# Altium PCB Inverter_2kW.PcbDoc (part 1 of 3)
Units mm, origin at the board's own origin, x right, y up, seen from the top; angles counter-clockwise.
Board outline 300 x 220 mm, 4 copper layers (Top Layer, Mid-Layer 1, Mid-Layer 2, Bottom Layer), stack 1.496 mm thick; 300 components, 167 nets, 848 pads, 363 vias.
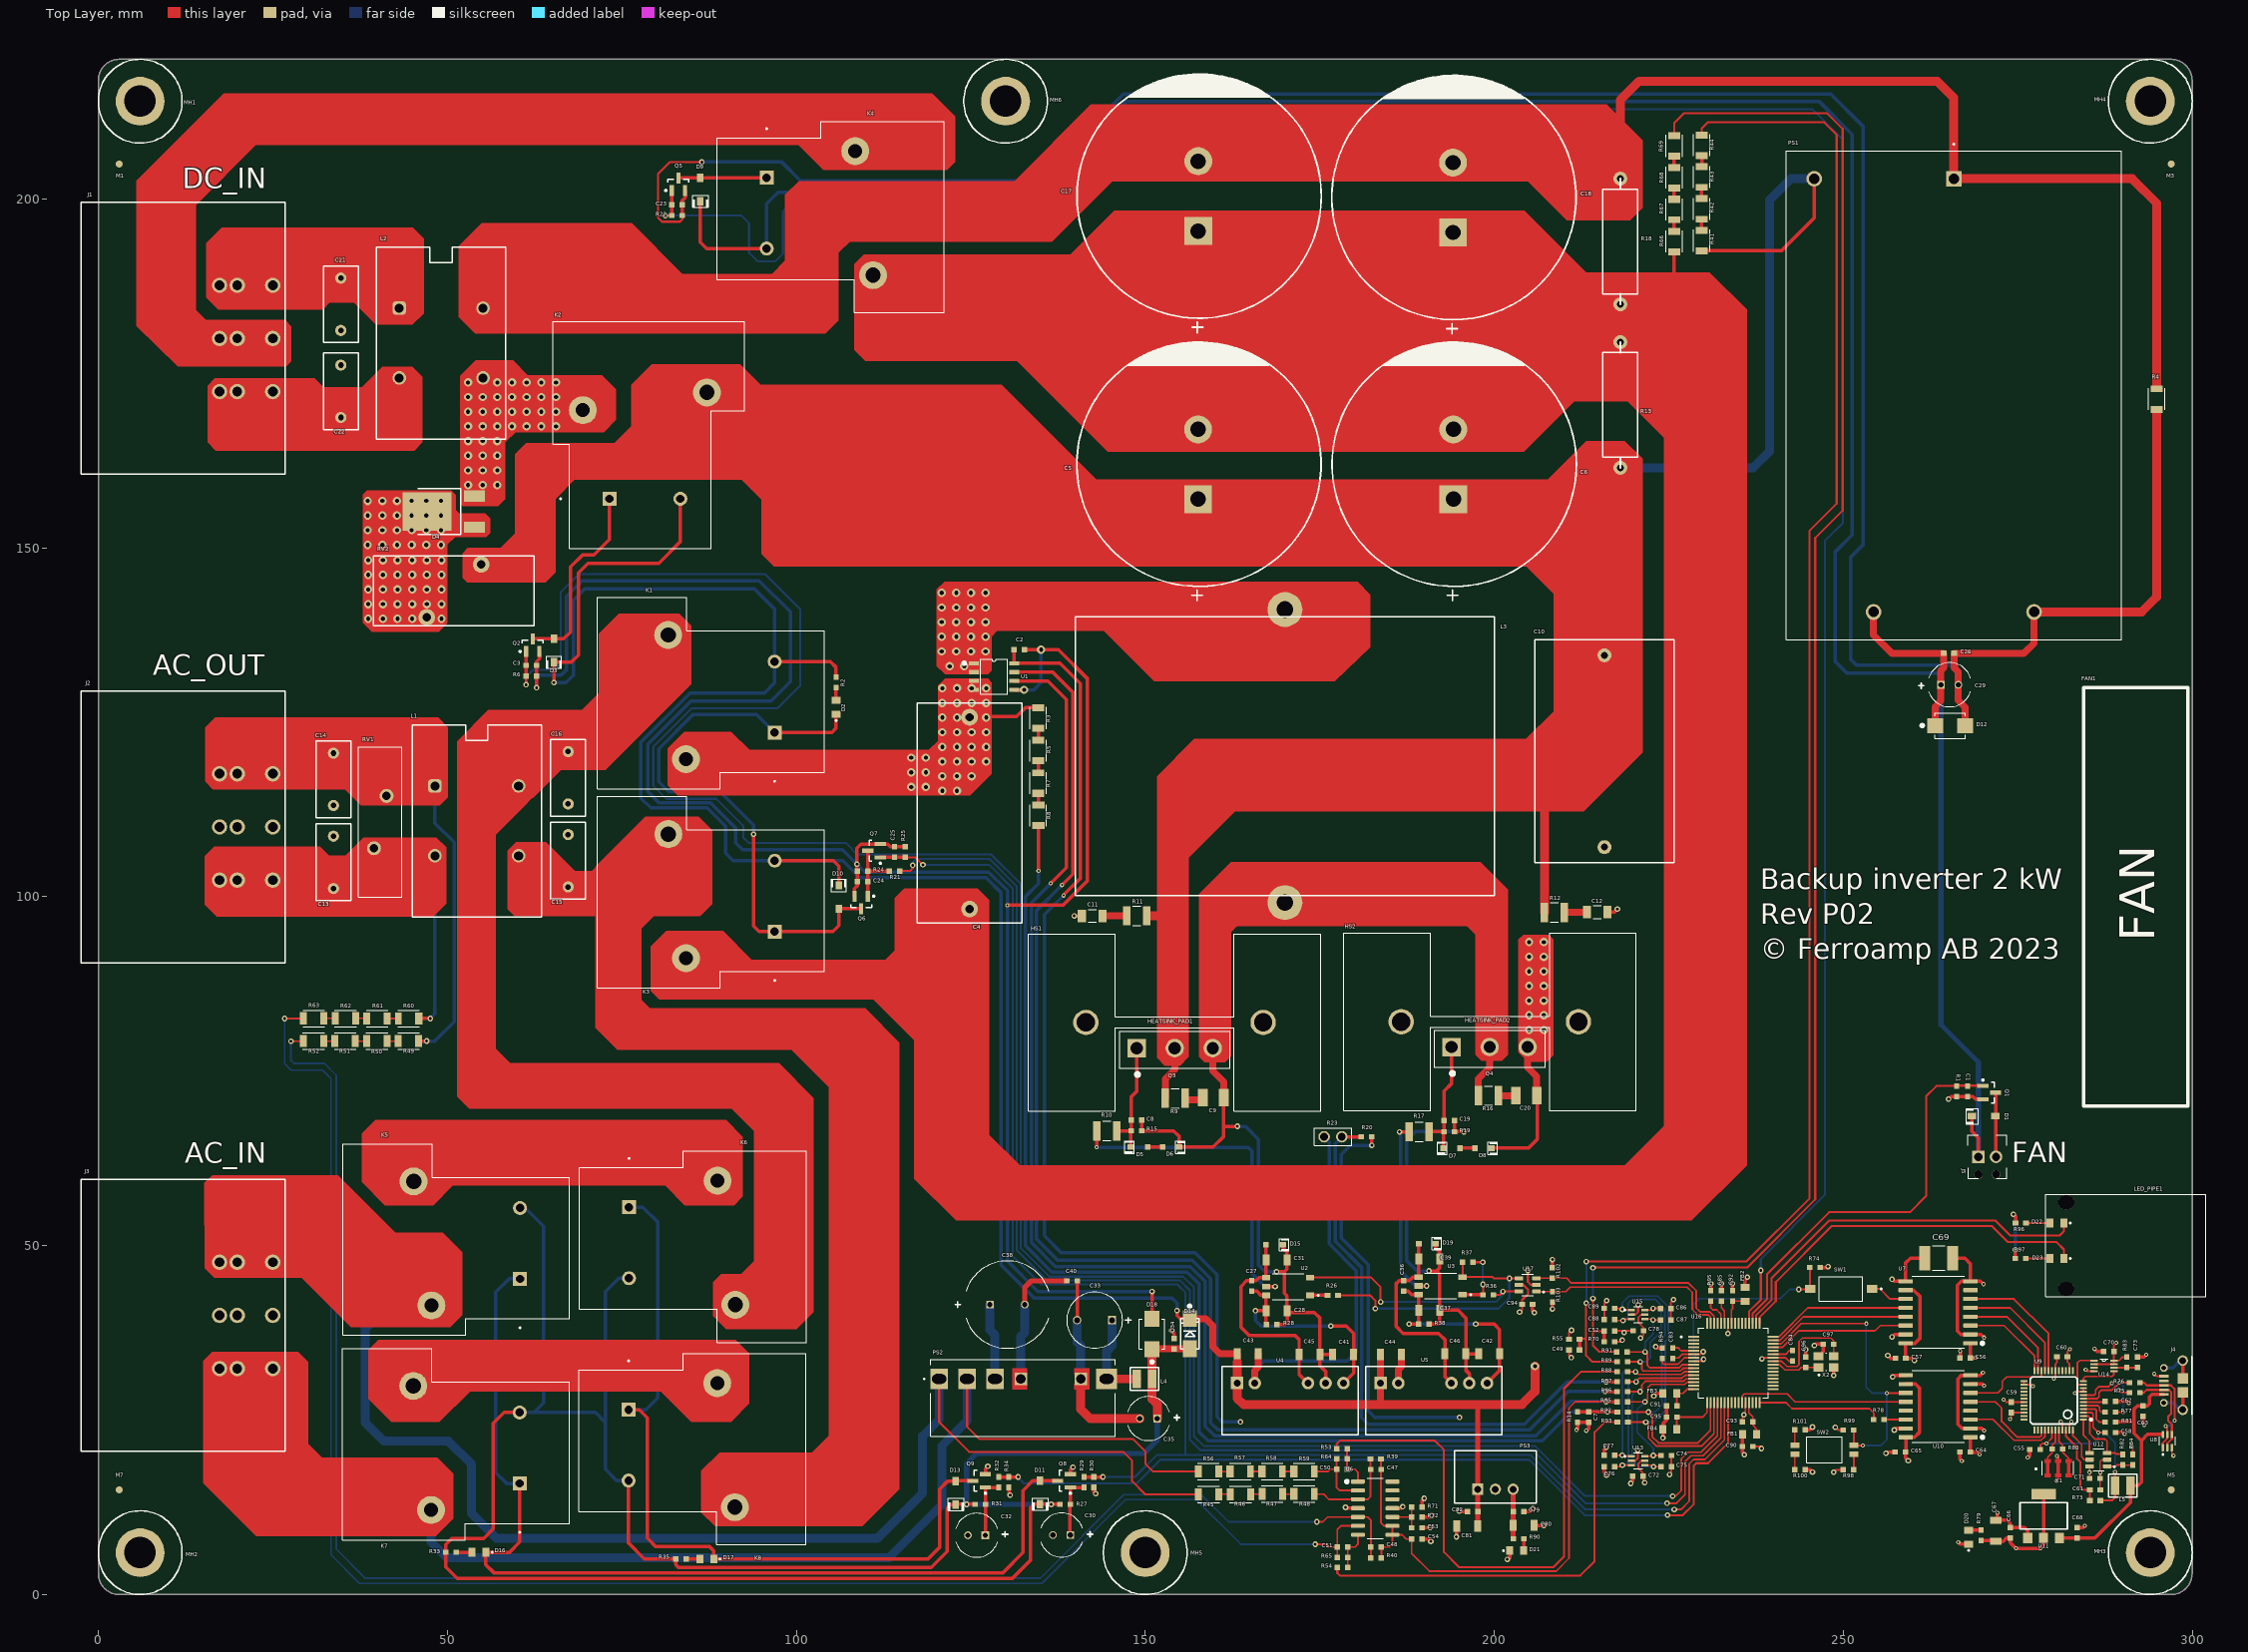
[diagram p0: Top Layer view]
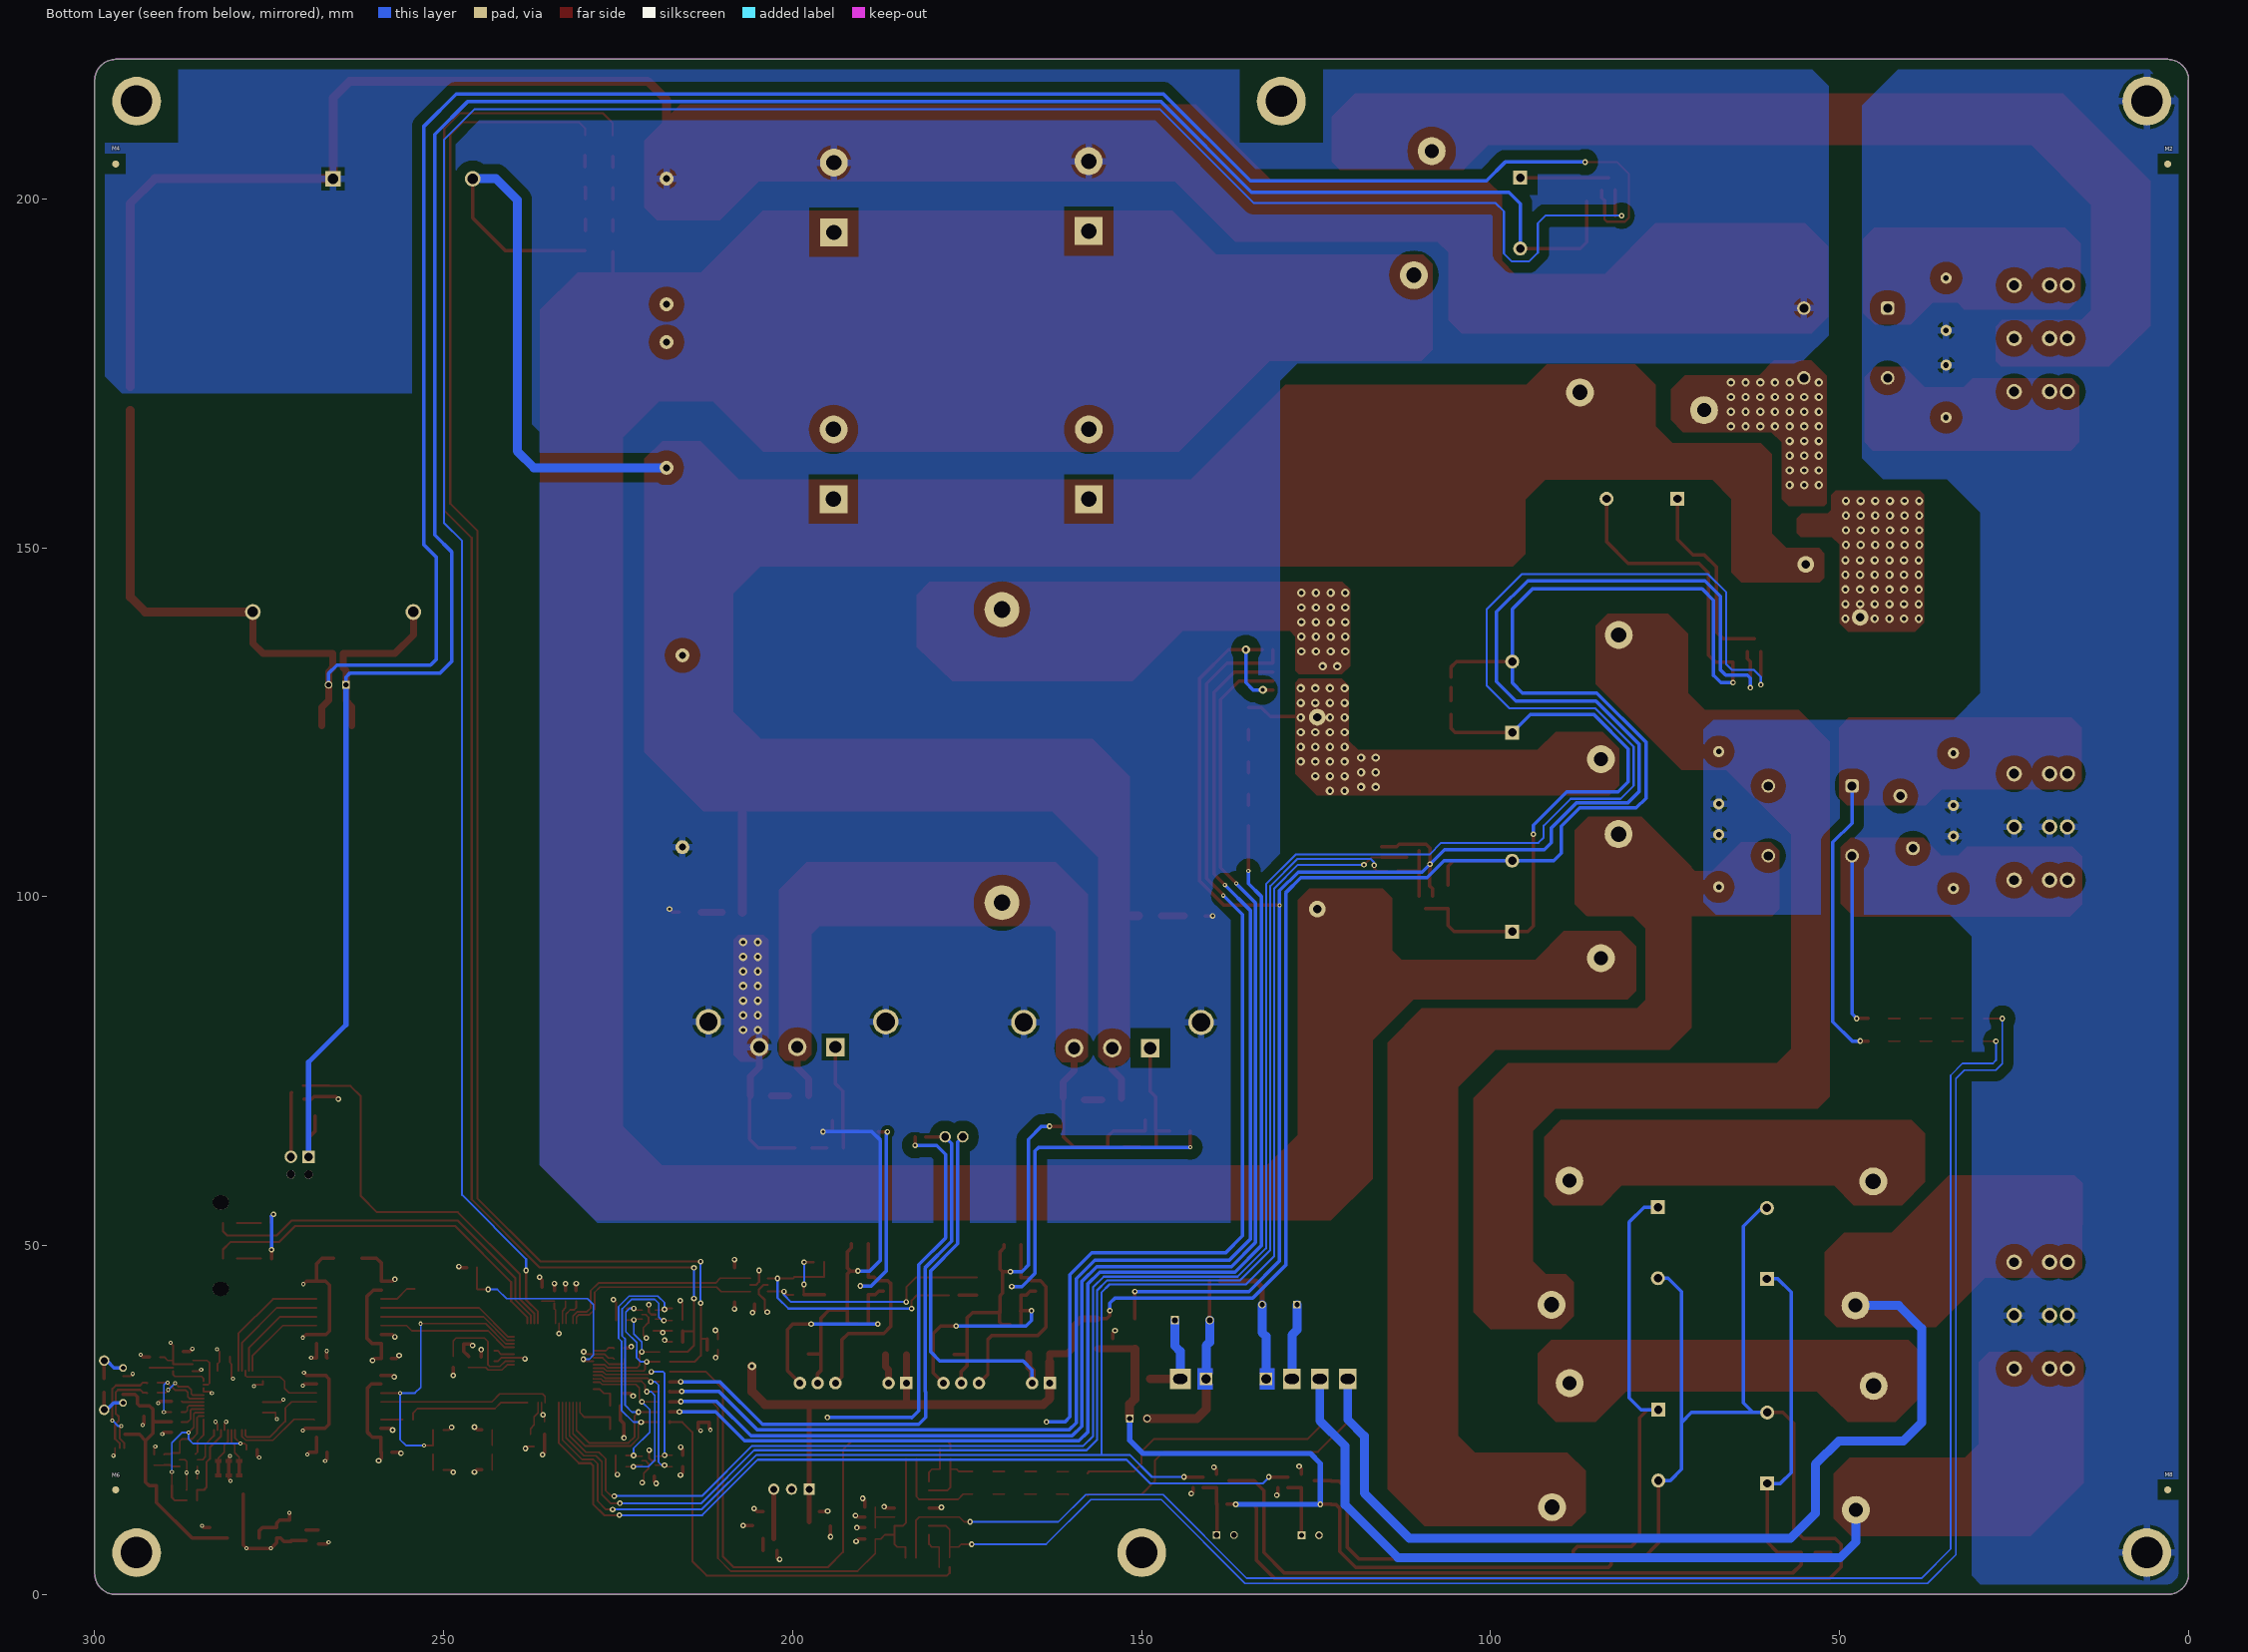
[diagram p1: Bottom Layer view, seen from below]
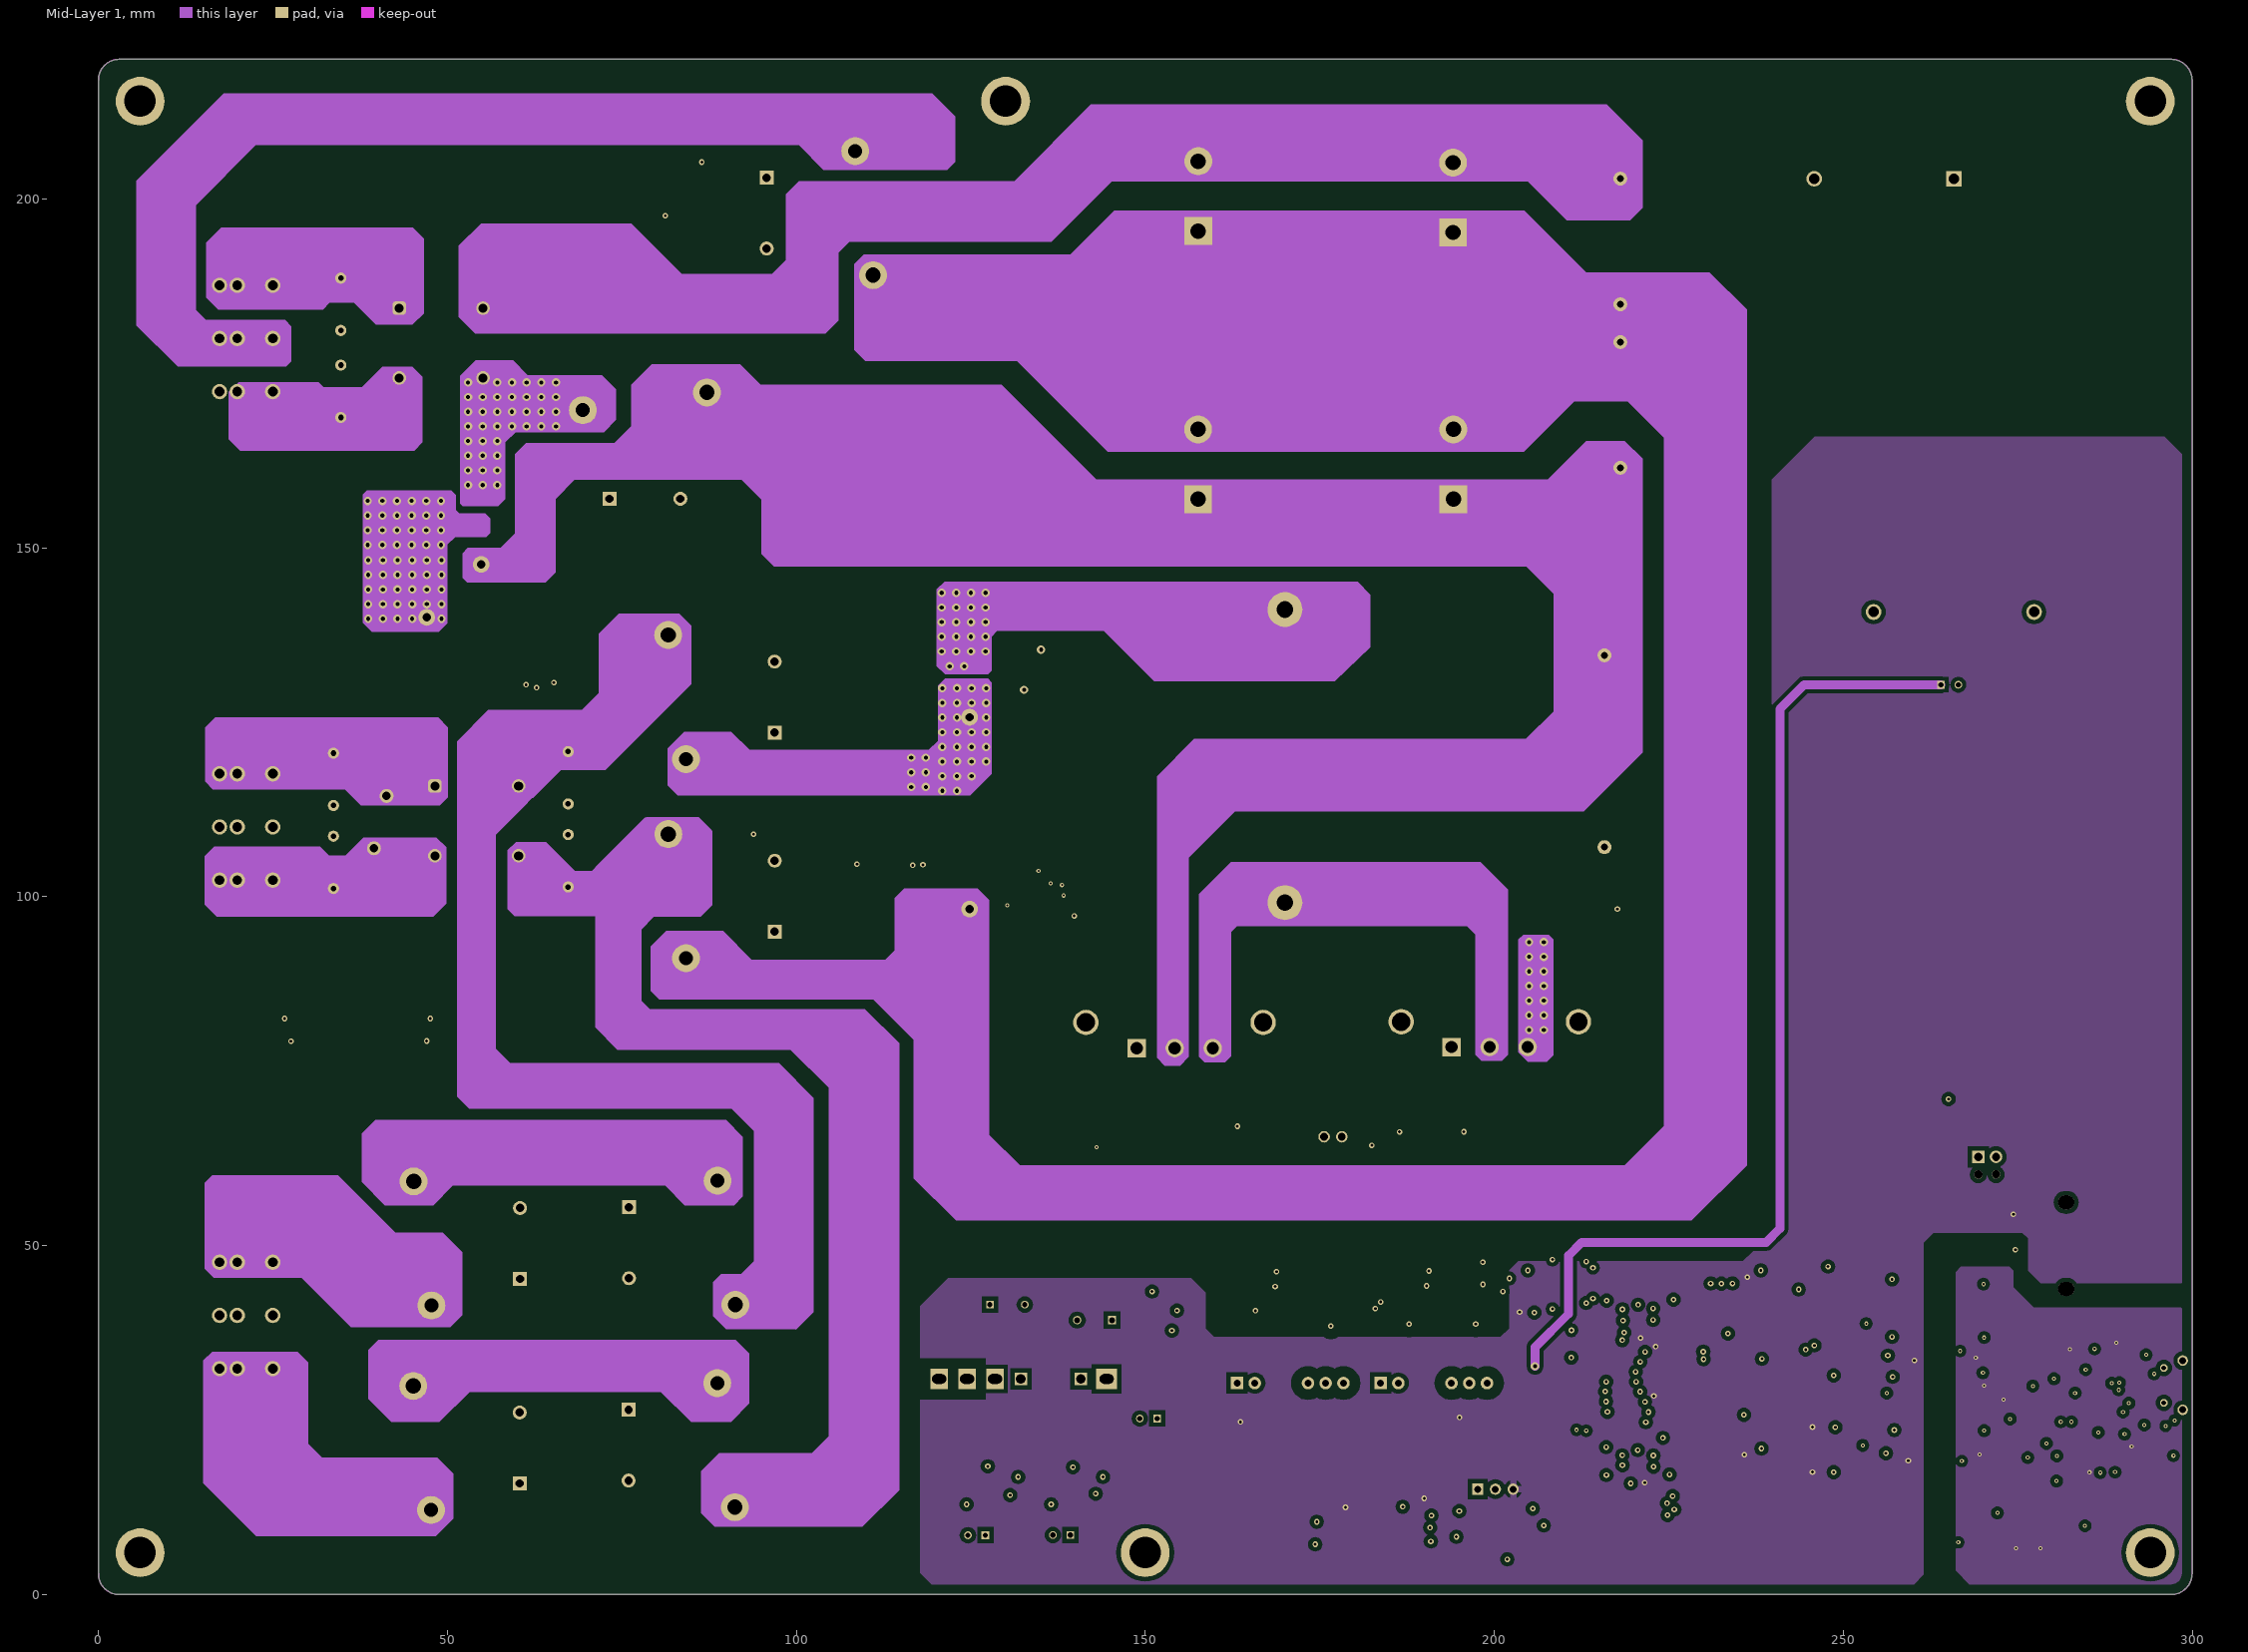
[diagram p2: Mid-Layer 1]
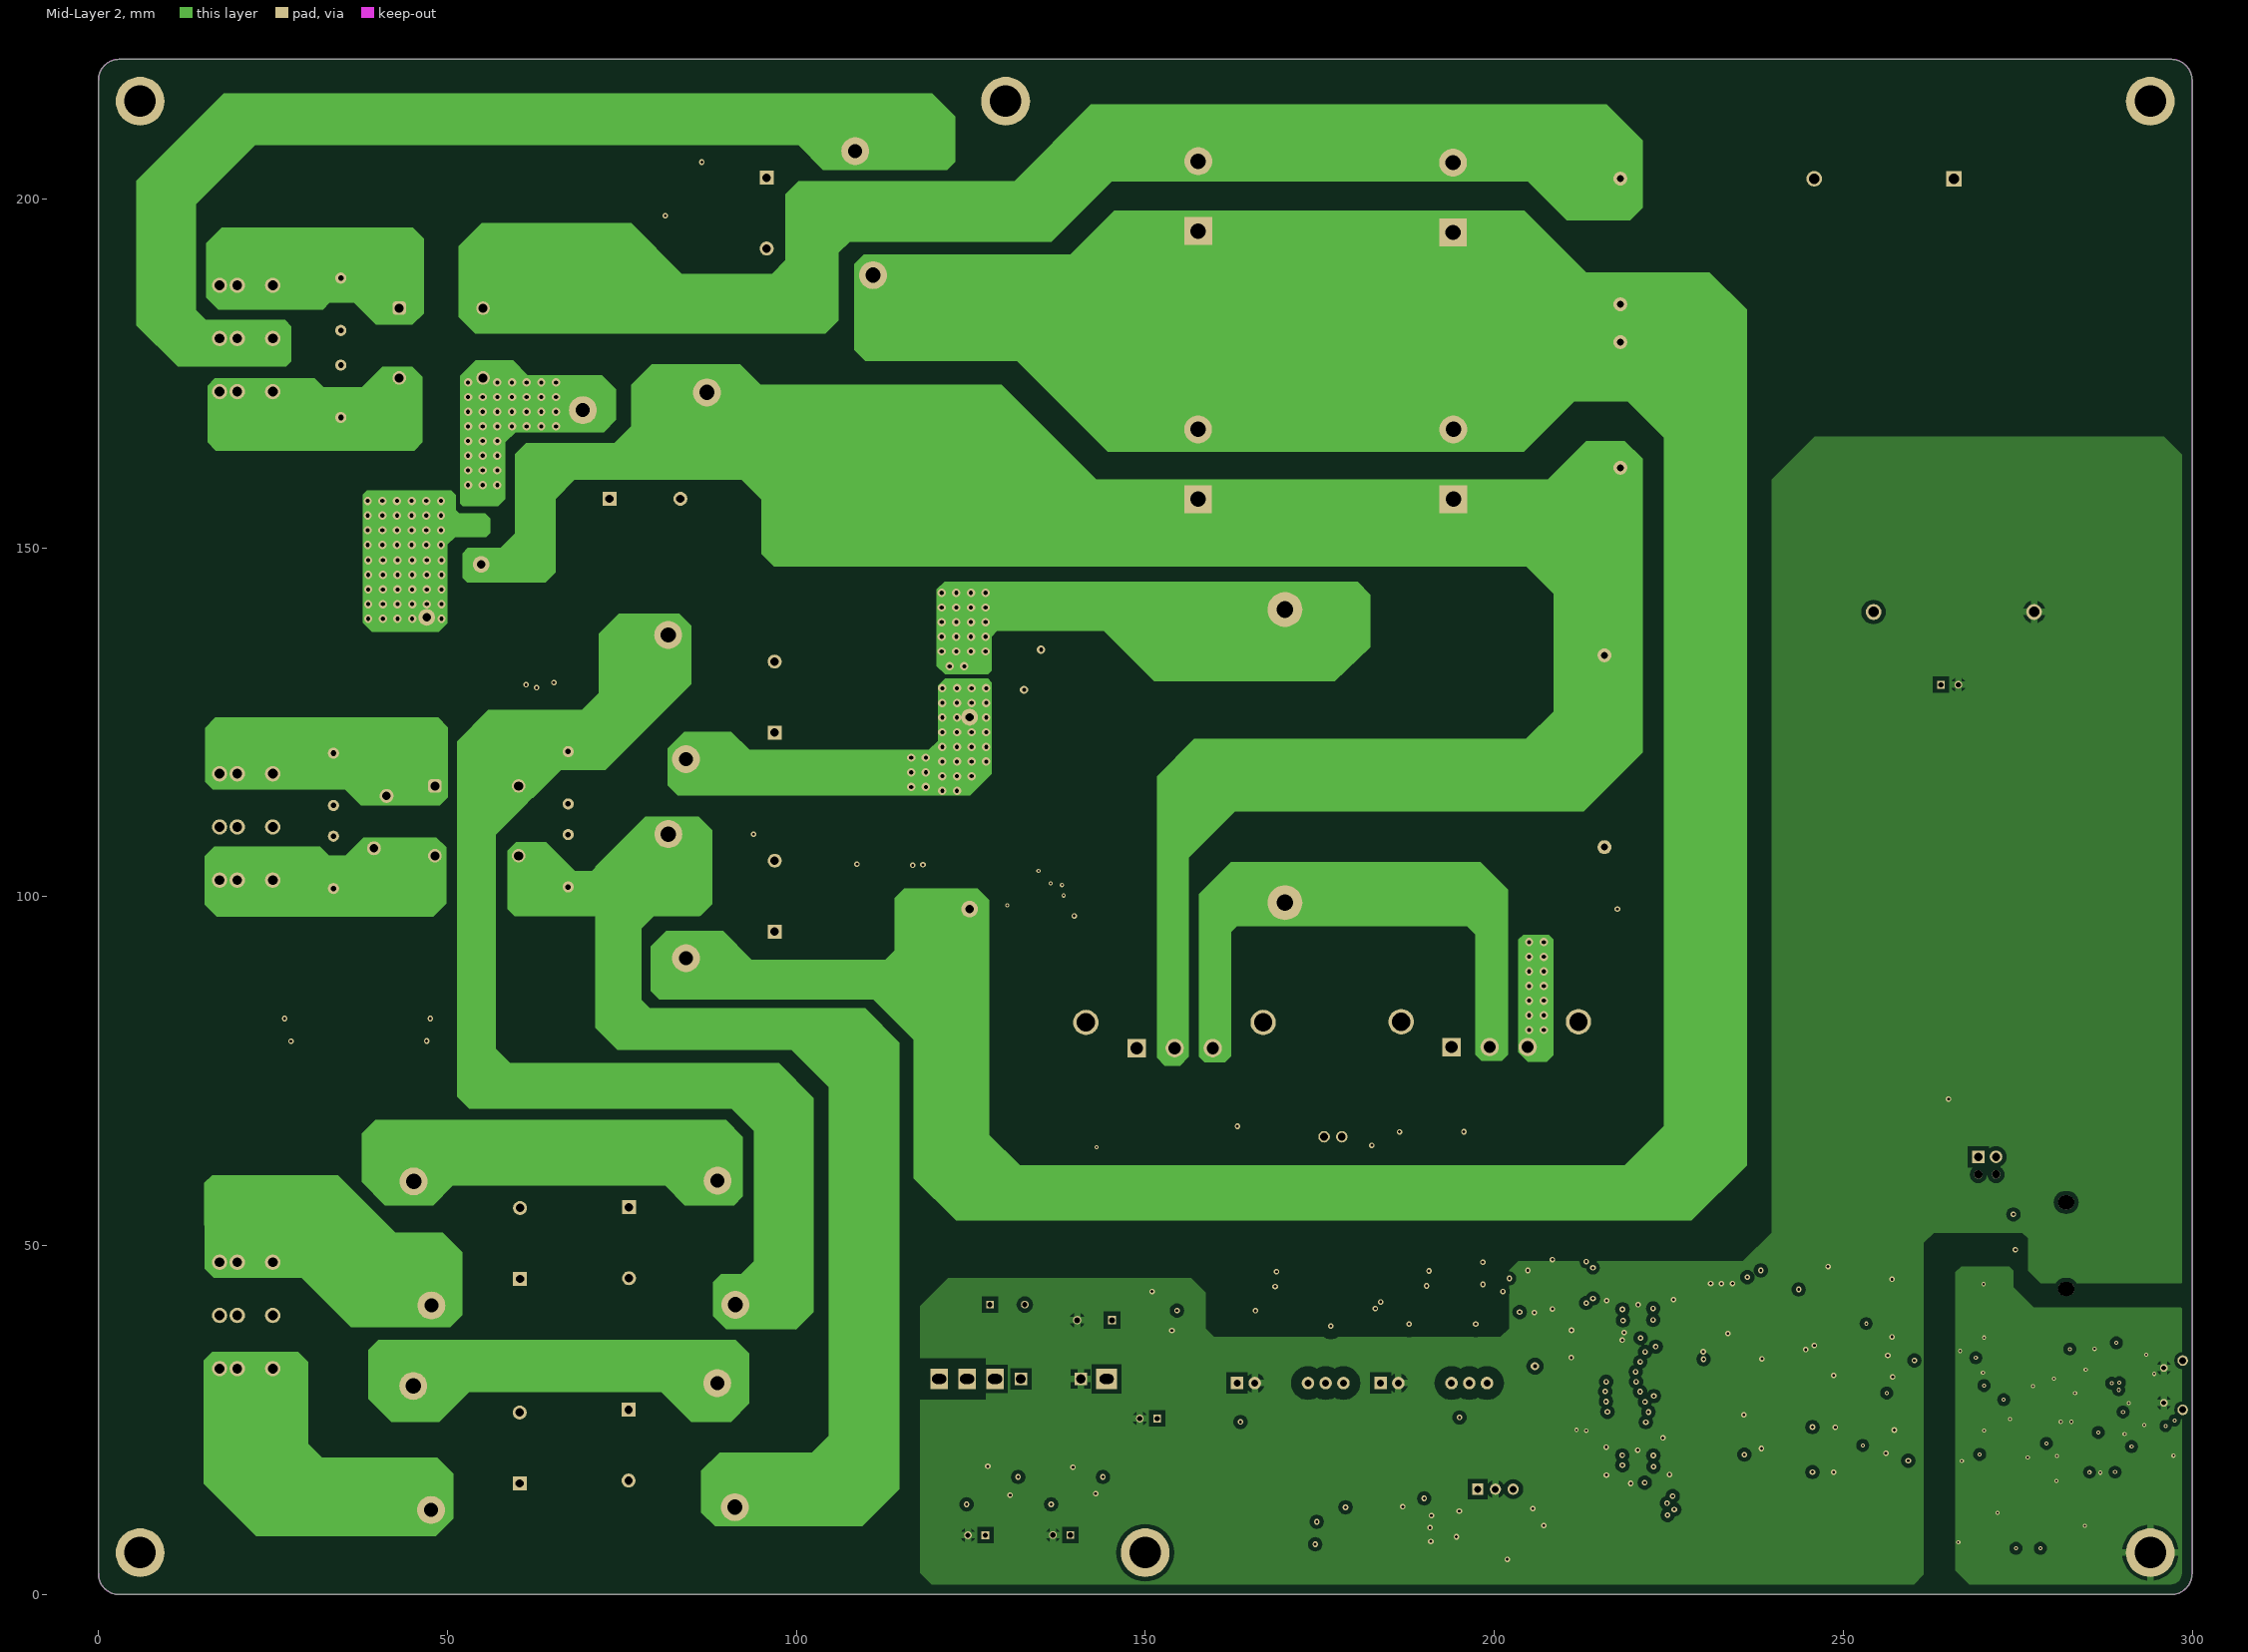
[diagram p3: Mid-Layer 2]
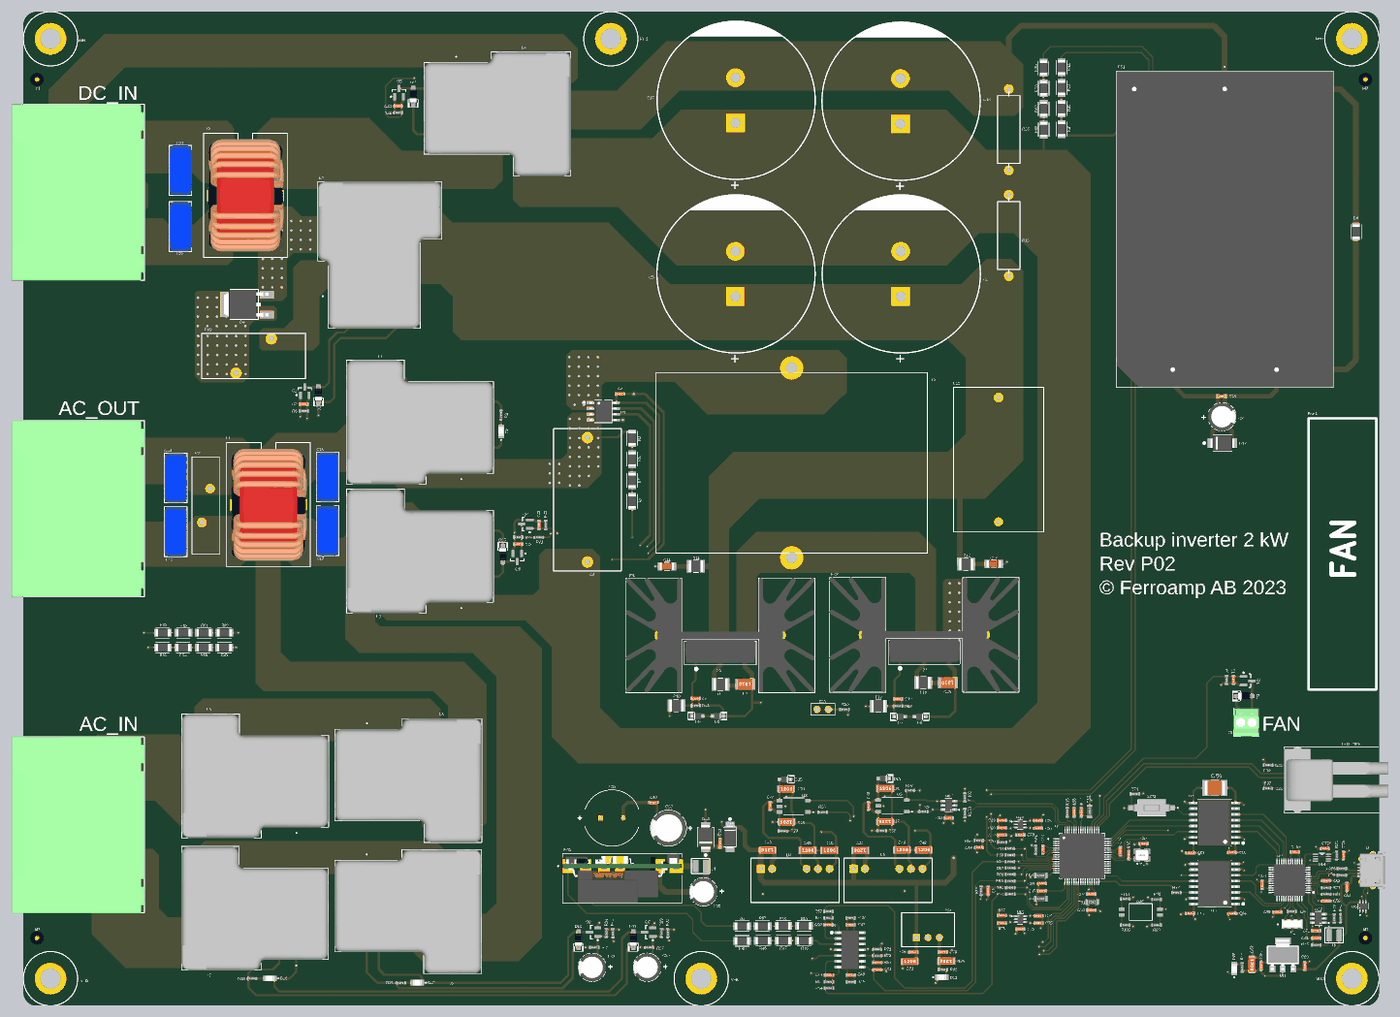
[diagram p6: 3D render of the assembled board from above, using the file's embedded part models]

## Layer stack, top to bottom
Top Solder: solder mask 0.0102, Solder Resist, Dk 3.5
Top Layer: signal copper 0.07
Dielectric1: core 0.288, FR-4, Dk 4.8
Mid-Layer 1: signal copper 0.035
Dielectric2: prepreg 0.71, FR-4, Dk 4.8
Mid-Layer 2: signal copper 0.035
Dielectric3: core 0.288, FR-4, Dk 4.8
Bottom Layer: signal copper 0.07
Bottom Solder: solder mask 0.0102, Solder Resist, Dk 3.5

## Board outline
0,3 ccw(c3,3) 3,0 297,0 ccw(c297,3) 300,3 300,217 ccw(c297,217) 297,220 3,220 ccw(c3,217) 0,217
